# KiCad board OroLink.kicad_pcb (continued)
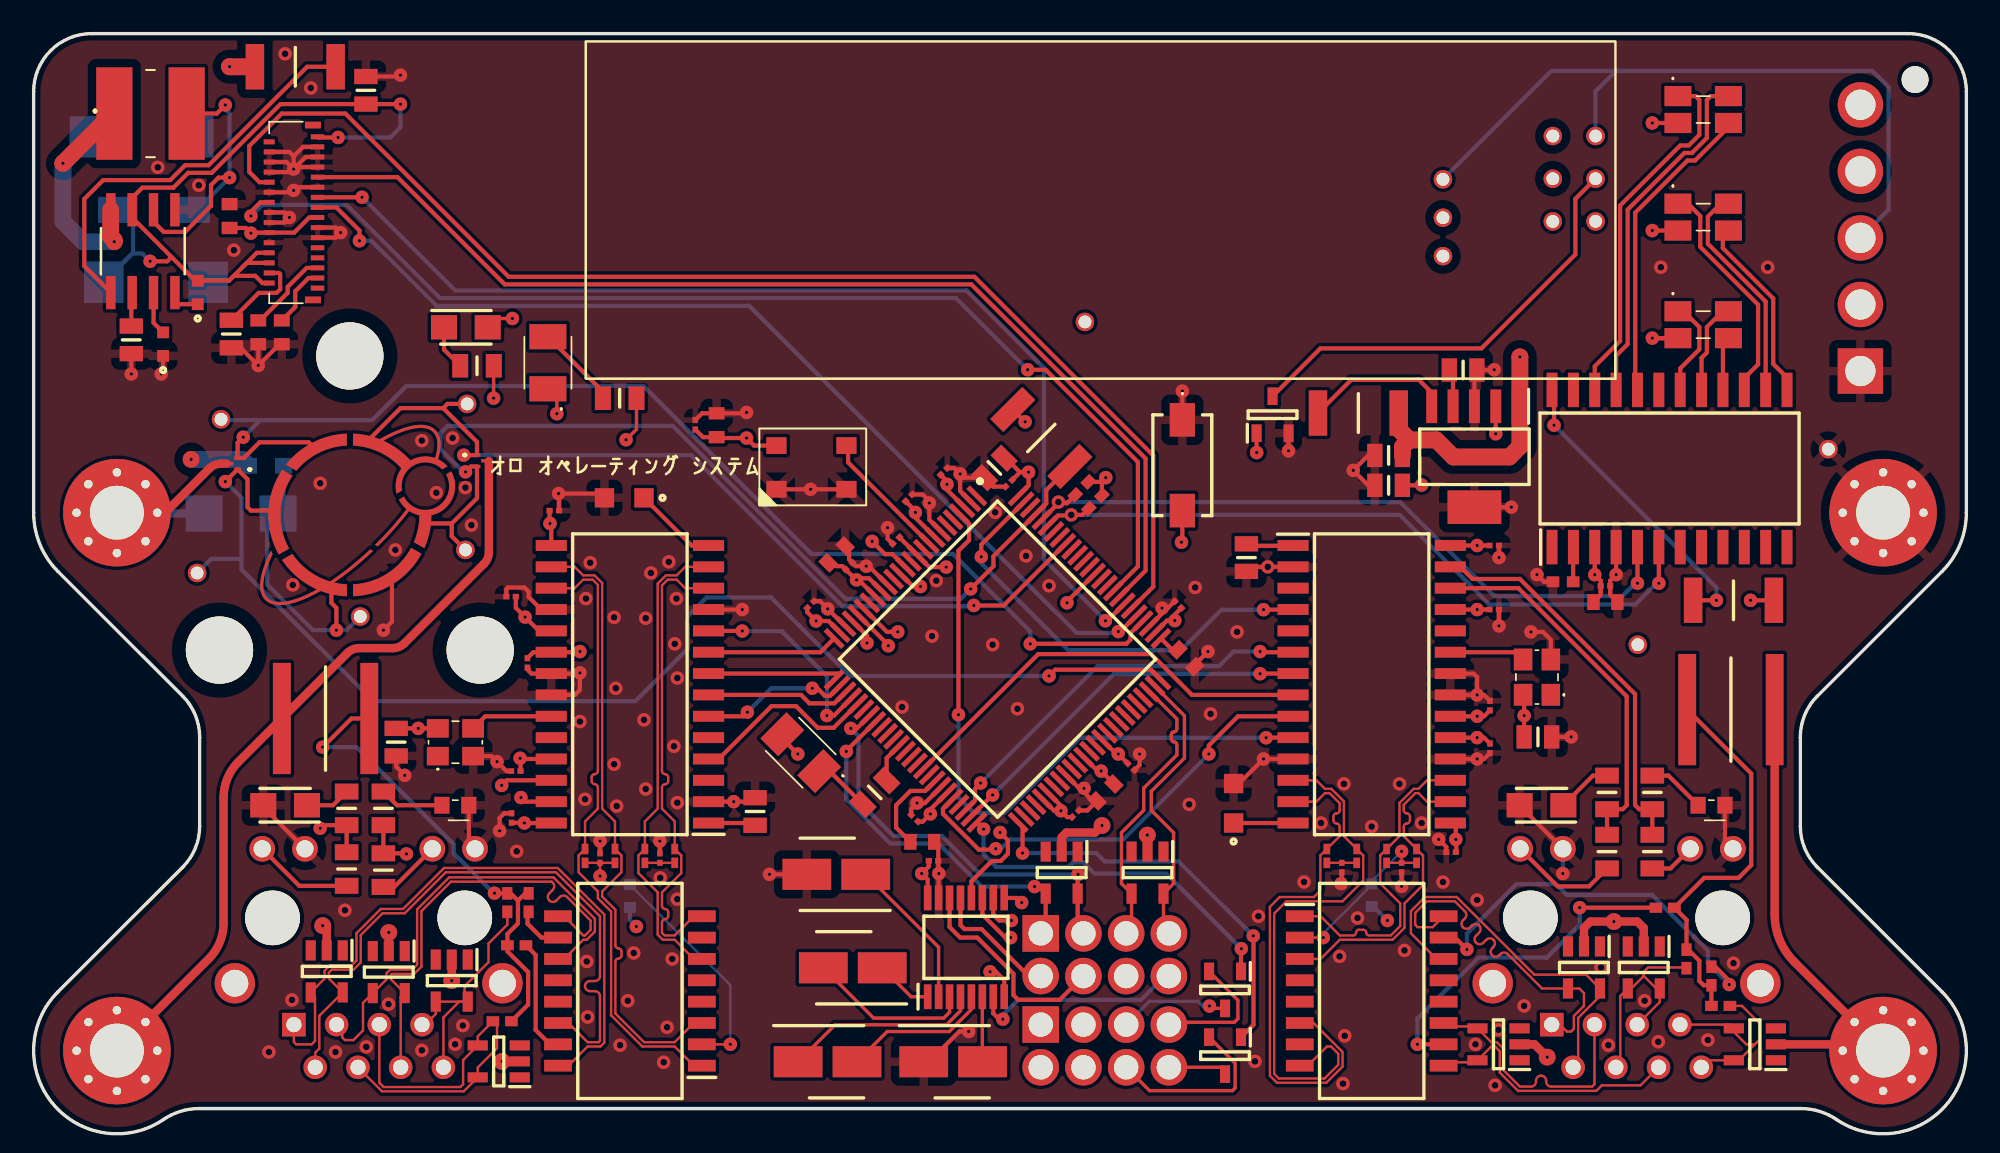
[diagram p0: board, top side]
## Routing (per net, layer and track width the routed paths; a pad name or vN(x,y) marks a point on that pad's centre or on a via; arc(x,y) is an arc through that point) (continued)
GNDPWR: length 218.2
  Top w0.5: D8.2 92.17,12.25 92.55,12.63 v3(93.94,12.63) ; D9.2 89.22,5.33 v3(89.98,4.56) ; D2.2 66.22,17.76 v3(66.21,17.77) ; D5.2 v3(21.11,11.98) ; 27.07,40.02 27.07,34.62 arc(26.99,34.24) 26.77,33.91 22.05,29.19 arc(21.73,28.97) 21.34,28.9 19.36,28.9 arc(18.97,28.82) 18.65,28.6 C35.1 12.17,22.13 arc(11.52,21.15) 11.29,20 11.29,12.54 arc(11.06,11.39) 10.41,10.42 H3.1 ; v3(63.51,18.34) 63.1,17.92 61.4,17.92 61.12,17.64 D1.2 ; 7.82,36.95 10.44,39.58 arc(10.77,39.79) 11.15,39.87 11.48,39.87 ; D11.2 109.58,5.33 ; v3(27.85,4.31) D6.2 ; 93.99,12.63 95.34,12.63 95.72,12.25 D10.2 ; v3(17.19,12.39) 17.42,12.15 D4.2 ; C45.1 103.5,13.06 arc(103.81,11.53) 104.68,10.23 H1.1 ; v3(24.86,9.12) D7.2
  In1.Cu w0.5: 24.09,8.96 J5.MH1 ; 24.09,8.96 J5.MH2 ; 24.09,8.96 24.7,8.96 v3(24.86,9.12) ; J5.MH1 9.78,8.96 arc(9.02,8.81) 8.37,8.37 H3.1 ; J5.MH1 13.76,8.96 v3(17.19,12.39) 20.71,12.39 v3(21.11,11.98) ; 103.1,4.95 99.98,8.08 arc(99,8.73) 97.86,8.96 95.62,8.96 ; 103.1,4.95 H1.1 ; 103.1,4.95 101.84,3.69 arc(100.86,3.04) 99.72,2.81 91.04,2.81 89.98,3.87 v3(89.98,4.56) ; 103.1,4.95 102.65,5.41 J6.MH2 ; v3(93.94,12.63) 93.94,11.05 arc(94.02,10.67) 94.24,10.34 95.62,8.96 ; v3(27.85,4.31) 27.6,4.56 27.6,8.69 ; 95.62,8.96 J6.MH1 86.74,10.23 arc(86.66,10.61) 86.45,10.93 84.74,12.64 arc(83.45,13.5) 81.91,13.81 71.41,13.81 arc(70.26,14.04) 69.29,14.69 v3(66.21,17.77) 65.93,18.05 arc(65.61,18.27) 65.22,18.34 v3(63.51,18.34)
  Bottom w0.5: D14.2 5,36.91
/COM Bus Header/C1+: length 3.4
  Top w0.2: C51.1 52.17,8.16 IC6.1
/COM Bus Header/C1-: length 9.8
  Top w0.2: IC6.3 54.45,7.24 54.1,6.89 49.94,6.89 C51.2
/COM Bus Header/C2+: length 11.7
  Top w0.2: IC6.4 55.1,7.32 54.27,6.49 47.64,6.49 C52.1
/COM Bus Header/C2-: length 8.8
  Top w0.2: IC6.5 55.75,7.41 54.43,6.09 50.74,6.09 C52.2
/COM Bus Header/CTS: length 23.1
  Top w0.25: v2(58.74,13.76) 58.46,14.03 IC6.9 ; v2(61.43,31.59) 61.43,31.66 IC1.87
  In1.Cu w0.25: v2(58.74,13.76) 59.58,13.76 60.35,14.53 60.35,26.19 61.43,27.27 v2(61.43,31.59)
/COM Bus Header/RS232_CTS: length 11.4
  Top w0.25: v2(56.86,9.64) 57.2,9.64 57.7,9.15 IC6.8
  In2.Cu w0.25: v2(56.86,9.64) 58.53,7.97 63.54,7.97 J1.6
/COM Bus Header/RS232_RTS: length 12.5
  Top w0.25: IC6.7 57.05,7.17 57.37,6.85 57.59,6.85 v2(57.62,6.82)
  Bottom w0.25: 67.24,9.39 65.83,7.97 58.52,7.97 57.62,7.07 v2(57.62,6.82)
/COM Bus Header/RS232_RX: length 6.9
  Top w0.25: IC6.13 55.1,12.42 55.34,12.18 56.35,12.18 59.15,9.39
/COM Bus Header/RS232_TX: length 12.8
  Top w0.25: J1.4 61,7.97 58.53,7.97 58.25,8.25 58.25,9.52 56.1,11.68 55.08,11.68 54.45,12.31 IC6.14
/COM Bus Header/RTS: length 26.4
  Top w0.25: IC6.10 57.05,13.05 57.41,12.69 v2(58.13,12.69) ; IC1.20 50.73,29.86 v2(51.37,29.86)
  In1.Cu w0.25: v2(58.13,12.69) 58.01,12.81 58.01,14.25 60.01,16.24 60.01,21.23 v2(51.37,29.86)
/COM Bus Header/RX: length 21.8
  Top w0.25: IC1.22 49.54,29.63 v2(49.54,29.2) ; v2(57.45,17.93) 57.92,17.46 57.92,16.66 57.49,16.23 56.96,16.23 55.75,15.02 IC6.12
  In1.Cu w0.25: v2(57.45,17.93) 57.74,18.21 57.74,20.55 49.54,28.74 v2(49.54,29.2)
/COM Bus Header/TX: length 28.1
  Top w0.25: v2(58.08,11.68) 57.77,11.68 56.4,13.05 IC6.11 ; v2(50.81,29.04) 50.81,29.08 IC1.21
  In1.Cu w0.25: v2(58.08,11.68) 57.41,12.35 57.41,14.15 59.67,16.42 59.67,19.22 50.81,28.08 v2(50.81,29.04)
/COM Bus Header/V+: length 9.1
  Top w0.2: C53.1 53.8,11.1 IC6.2
/COM Bus Header/V-: length 3.9
  Top w0.2: IC6.6 56.4,4.3
/External Ethernet/CS: length 26.4
  Top w0.25: v2(69.86,22.6) 69.86,23.11 71.6,24.84 IC5.9 ; v2(57.2,16.96) 57.14,16.91 56.19,16.91 54.06,19.04 54.06,19.34 IC1.46
  Bottom w0.25: v2(57.2,16.96) 57.51,16.96 58.07,17.52 64.78,17.52 v2(69.86,22.6)
/External Ethernet/CT_45: length 12.3
  Top w0.141: 94.33,4.23 94.33,8.2 D10.4 ; 95.72,9.39 95.72,9.64 95.98,9.9 98.22,9.9 ; 95.72,9.39 94.98,8.65 ; 95.72,9.39 96.46,8.65 ; J6.5 96.67,7.84 D10.5
/External Ethernet/CT_78: length 10.9
  Top w0.141: 101.38,4.38 102.33,5.33 ; 102.33,5.33 102.58,5.58 102.58,6.6 101.56,7.61 R30.1 ; 102.33,5.33 101.82,5.33 101.08,6.07 ; 99.56,4.38 D11.5 ; J6.7 100.85,6.5
/External Ethernet/GLED+: length 22.8
  Top w0.25: R32.2 R34.2 95.45,19.31 95.21,19.56 95.21,26.16 88.36,33.01 85.54,33.01 84.82,33.73
/External Ethernet/RX+: length 14.9
  Top w0.141: J6.3 92.79,2.95 92.65,2.81 90.22,2.81 arc(90,2.9) 89.92,3.11 89.92,3.16 arc(89.83,3.37) 89.62,3.46 arc(89.4,3.37) 89.32,3.16 89.32,3.11 arc(89.23,2.9) 89.02,2.81 88.36,2.81 87.42,3.75 87.42,5.02 86.99,5.45 86.66,5.45 D9.4 ; 85.72,6.39 84.34,6.39
/External Ethernet/RX-: length 15
  Top w0.141: D9.5 86.66,5.2 86.88,5.2 87.16,4.92 87.16,3.65 88.25,2.56 92.9,2.56 93.23,2.89 95.53,2.89 J6.6 ; 85.61,4.26 84.14,4.26
/External Ethernet/SCK: length 25.8
  Top w0.25: IC1.41 59.72,28.54 66.43,28.54 68.86,26.11 IC5.8
/External Ethernet/SDI: length 22.7
  Top w0.25: IC1.49 57,20.16 v2(57.01,20.16) ; IC5.7 72.92,27.38 v2(72.91,27.37)
  Bottom w0.25: v2(72.91,27.37) 64.23,27.37 v2(57.01,20.16)
/External Ethernet/SDO: length 23.9
  Top w0.25: v2(56.3,20.87) 55.97,20.53 55.97,19.83 IC1.48 ; IC5.6 72.95,28.65 v2(72.91,28.69)
  Bottom w0.25: v2(56.3,20.87) 63.25,27.82 70.47,27.82 71.34,28.69 v2(72.91,28.69)
/External Ethernet/TPIN+: length 31.8
  Top w0.141: IC5.13 76.26,19.76 76.77,20.27 77.04,20.27 77.64,19.67 77.64,19.25 arc(77.59,19.12) 77.46,19.06 arc(77.33,19.01) 77.27,18.88 77.27,18.65 arc(77.33,18.52) 77.46,18.46 arc(77.59,18.41) 77.64,18.28 77.64,17.71 R25.1 76.5,16.56 76.5,14.47 76.12,14.09 74.08,14.09 73.5,13.51 73.5,3.46 73.91,3.04 76.85,3.04 77.82,4 77.82,4.87 76.09,6.6 T2.6
/External Ethernet/TPIN-: length 31.8
  Top w0.141: IC5.12 76.26,21.03 76.77,20.52 77.15,20.52 77.9,19.77 77.9,17.71 R26.1 79.04,16.56 79.04,15.06 77.81,13.83 74.48,13.83 73.75,13.11 73.75,3.56 74.02,3.29 76.75,3.29 77.56,4.11 77.56,4.76 77.13,5.2 76.89,5.2 75.75,4.06
/External Ethernet/TPOUT+: length 18.9
  Top w0.141: T2.1 76.51,12.95 77.65,11.8 78.45,11.8 arc(78.57,11.85) 78.62,11.97 arc(78.67,12.09) 78.79,12.14 79.05,12.14 arc(79.17,12.09) 79.22,11.97 arc(79.27,11.85) 79.39,11.8 80.68,11.8 81.24,12.36 81.24,13.71 80.74,14.21 80.05,14.9 80.05,16.56 R23.1 81.2,17.71 81.2,19.68 82.04,20.52 82.33,20.52 82.83,21.03 IC5.17
/External Ethernet/TPOUT-: length 18.9
  Top w0.141: IC5.16 82.83,19.76 82.33,20.27 82.14,20.27 81.45,19.58 81.45,19.25 arc(81.51,19.12) 81.64,19.06 arc(81.77,19.01) 81.82,18.88 81.82,18.65 arc(81.77,18.52) 81.64,18.46 arc(81.51,18.41) 81.45,18.28 81.45,17.71 R24.1 82.6,16.56 82.6,14.81 82.01,14.22 81.5,13.71 81.5,12.26 80.79,11.55 77.65,11.55 76.51,10.41 T2.3
/External Ethernet/TX+: length 21.8
  Top w0.141: 90.74,6.5 91.15,6.09 91.4,6.09 91.57,6.25 91.57,7.01 92.17,7.61 92.17,8.37 91.89,8.65 D8.4 89.68,8.65 87.63,10.7 arc(87.42,10.78) 87.21,10.7 87.13,10.62 arc(86.92,10.53) 86.71,10.62 arc(86.62,10.83) 86.71,11.05 86.78,11.12 arc(86.87,11.33) 86.78,11.54 arc(86.57,11.63) 86.36,11.54 86.18,11.37 arc(85.97,11.28) 85.75,11.37 arc(85.67,11.58) 85.75,11.79 85.93,11.97 arc(86.02,12.18) 85.93,12.39 arc(85.72,12.48) 85.51,12.39 85.4,12.28 arc(85.19,12.2) 84.98,12.28 arc(84.89,12.5) 84.98,12.71 85.09,12.82 arc(85.17,13.03) 85.09,13.24 84.49,13.83 82.82,13.83 82.13,13.15 82.13,12.44 82.28,12.3 83.17,12.3 T2.16
/External Ethernet/TX-: length 21.8
  Top w0.141: 93.12,8.2 91.82,6.9 91.82,4.26 ; 83.4,10.41 81.88,11.93 81.88,13.25 82.72,14.09 84.6,14.09 89.22,9.47 92.29,9.47 D8.5
/External Ethernet/YLED+: length 22.4
  Top w0.25: R31.2 R33.2 94.47,19.31 94.71,19.55 94.71,26.03 88.27,32.46 IC5.26
/External Ethernet/~{INT}: length 26.4
  Top w0.25: v2(56.34,34.33) 56.34,35.05 IC1.99 ; v2(73.12,31.18) 74.86,31.18
  Bottom w0.25: v2(56.34,34.33) 56.34,33.94 61.51,28.76 68.21,28.76 70.63,31.18 v2(73.12,31.18)
/External Ethernet/~{RST}: length 39.5
  Top w0.25: IC1.4 55.61,36.3 55.61,35.32 54.98,34.69 v2(54.98,24.93) ; v2(73.27,23.56) 73.28,23.57 IC5.10
  Bottom w0.25: v2(73.27,23.56) 62.19,23.56 57.72,19.09 55.89,19.09 54.98,20.01 v2(54.98,24.93)
/Front Panel Client/HDD+: length 60
  Top w0.2: v2(27.35,43.77) 27.35,45.68
  In1.Cu w0.2: v2(27.35,43.77) 27.76,43.35 27.76,35.25 58.48,4.53 58.48,3.38 59.3,2.57 61.02,2.57 J3.4
/Front Panel Client/HDD-: length 58.3
  Top w0.2: v2(28.46,48.51) 27.52,48.51
  In1.Cu w0.2: 59.49,3.96 28.46,34.99 v2(28.46,48.51)
/Front Panel Client/PLED+: length 49.2
  Top w0.2: R6.2 35.84,41.91 v2(35.22,41.29)
  In1.Cu w0.2: v2(35.22,41.29) 35.22,28.64 56.34,7.52 58.85,7.52 J3.1
/Front Panel Client/PLED-: length 55.3
  Top w0.2: v2(31.1,42.84) 31.1,43.79
  In1.Cu w0.2: 62.41,6.73 61.15,8 56.27,8 35.51,28.76 35.51,35.84 35.92,36.25 35.92,41.58 34.66,42.84 v2(31.1,42.84)
/Front Panel Client/PWR+: length 6.6
  Top w0.2: Q2.3 70.04,7.46 v2(69.9,7.6)
  Bottom w0.2: J3.5 66.34,7.89 69.22,7.89 69.51,7.6 v2(69.9,7.6)
/Front Panel Client/PWR-: length 7.6
  Top w0.2: Q2.2 71.59,7.95 71.59,6.85 71.38,6.64 67.63,6.64
/Front Panel Client/PWR_ON: length 21.3
  Top w0.25: v2(71.8,11.01) 71.78,11 Q2.1 ; v2(56.47,18.13) IC1.50
  Bottom w0.25: v2(71.8,11.01) 67.32,15.49 63.07,15.49 62.39,16.16 61.79,16.16 61.52,15.88 57.22,15.88 56.47,16.63 v2(56.47,18.13)
/Front Panel Client/RESET: length 23.7
  Top w0.25: Q3.1 72.52,6.49 72.52,11.76 v2(72.51,11.78) ; v2(58.79,16.7) 58.79,18.27
  Bottom w0.25: v2(58.79,16.7) 63.17,16.7 63.67,16.21 68.07,16.21 v2(72.51,11.78)
/Front Panel Client/RST+: length 3.2
  Top w0.2: J3.8 70.67,3.96
/Front Panel Client/RST-: length 10.8
  Top w0.2: J3.6 66.34,2.57 71.27,2.57 71.43,2.73 71.43,4.2 Q3.2
/Indicator Lights/O7: length 10
  Top w0.25: 104.24,44.99 103.42,45.81 103.42,49.7 100.42,52.7 100.42,53.4
/Indicator Lights/O8: length 12.8
  Top w0.25: IC7.14 102.97,49.51 99.53,52.95 99.53,54.56 100.3,55.34
/Indicator Lights/O9: length 12.4
  Top w0.25: 101.7,44.96 102.52,45.78 102.52,49.33 99.08,52.76 99.08,54.6 98.35,55.34
/Indicator Lights/O10: length 2.8
  Top w0.25: IC7.16 100.43,47.01
/Indicator Lights/O11: length 5.2
  Top w0.25: IC7.17 99.16,46.16 99.47,46.48 99.47,48 100.41,48.94
/Indicator Lights/O12: length 5.5
  Top w0.25: IC7.18 97.89,45.53 99.02,46.67 99.02,48 98.08,48.94
/Indicator Lights/O14: length 18.1
  Top w0.25: 95.21,44.39 95.21,54.8 98.32,57.9 98.77,57.9 100.75,59.89
/Indicator Lights/O15: length 21.1
  Top w0.25: IC7.21 94.08,46.3 94.76,46.98 94.76,54.98 98.13,58.35 98.58,58.35 99.47,59.24 99.47,61.51 99.7,61.74 LED8.4
/Indicator Lights/O16: length 21.5
  Top w0.25: LED8.1 98.8,61.74 99.02,61.52 99.02,59.43 98.4,58.8 97.89,58.8 94.31,55.23 94.31,47.17 92.81,45.66 IC7.22
/Indicator Lights/SCL: length 42.7
  Top w0.25: v1(61.69,36.82) 62.35,36.82 R1.2 ; 61.72,36.79 60.9,36.79 IC1.95 ; v2(96.62,32.76) IC7.6
  Bottom w0.25: v2(96.62,32.76) 96.48,32.76 95.21,31.49 86.55,31.49 81.21,36.82 v1(61.69,36.82)
/Indicator Lights/SDA: length 41.9
  Top w0.25: v2(95.35,32.76) IC7.5 ; IC1.96 60.92,37.51 v1(60.92,37.58) 61.43,37.51 R2.2
  Bottom w0.25: v2(95.35,32.76) 95.21,32.76 94.45,32 86.83,32 81.24,37.58 v1(60.92,37.58)
/Microcontroller/DBGUART_RX: length 24
  Top w0.25: 62.07,12.27 D1.5 62.07,15.41 v2(62.09,15.43) ; IC1.32 48.94,24.12 v2(48.58,24.12)
  Bottom w0.25: v2(48.58,24.12) 49.04,23.66 49.04,19.8 51.12,17.72 53.99,17.72 56.28,15.43 v2(62.09,15.43)
/Microcontroller/DBGUART_TX: length 21.6
  Top w0.25: v2(48.31,22.75) 48.31,22.79 50.06,24.54 ; v2(59.5,14.71) 59.75,14.71 D1.4 60.17,12.22
  Bottom w0.25: v2(48.31,22.75) 48.31,19.89 50.93,17.27 53.8,17.27 56.37,14.71 v2(59.5,14.71)
/Microcontroller/SYSETH_CS: length 7.8
  Top w0.25: IC4.9 46.77,28.65 IC1.25
/Microcontroller/SYSETH_MISO: length 8.9
  Top w0.25: IC1.27 47.34,26.06 47.04,26.06 46.59,26.51 v2(46.29,26.51) ; IC4.6 42.19,24.84 v2(42.43,25.09)
  Bottom w0.25: v2(46.29,26.51) 43.86,26.51 v2(42.43,25.09)
/Microcontroller/SYSETH_SCK: length 7.8
  Top w0.25: IC4.8 47.93,27.38
/Microcontroller/SYSTEH_MOSI: length 8.7
  Top w0.25: IC1.28 47.6,25.61 46.13,25.61 45.62,26.11 IC4.7
/Microcontroller/SYSTEH_~{INT}: length 10.7
  Top w0.25: IC1.30 47.56,24.16 46.61,24.16 45.33,25.44 43.86,25.44 40.72,22.3
/Microcontroller/SYSTEH_~{RST}: length 12.4
  Top w0.25: v2(47.16,24.89) 47.58,24.89 IC1.29 ; IC4.10 42.12,29.92 v2(42.13,29.91)
  Bottom w0.25: v2(42.13,29.91) 44.46,29.91 47.16,27.22 v2(47.16,24.89)
/Microcontroller/USB_D+: length 16.7
  Top w0.2: 67.17,12.25 D2.5 67.77,14.89 67.77,17.92 66.45,19.24 66.45,20.38 68.41,22.35 68.41,24.87 66.66,26.62
/Microcontroller/USB_D-: length 16.7
  Top w0.2: 65.27,12.25 D2.4 64.67,14.89 64.67,17.92 66,19.24 66,20.57 67.96,22.54 67.96,23.16 arc(67.92,23.27) 67.8,23.32 arc(67.68,23.37) 67.64,23.48 67.64,23.76 arc(67.68,23.87) 67.8,23.92 arc(67.92,23.97) 67.96,24.08 67.96,24.69 66.35,26.3
/Microcontroller/VCAP1: length 5.5
  Top w0.25: IC1.43 53,20.4 52.13,20.4 51.27,19.55 51.27,18.22 C5.1
/Microcontroller/VCAP2: length 1
  Top w0.25: 67.69,28.8 IC1.76
/OLED Socket/CS: length 60
  Top w0.25: J4.17 17.99,55.11 19.37,53.74 v2(19.37,53.13) ; IC1.80 64.6,29.88 v2(64.48,29.88)
  Bottom w0.25: v2(19.37,53.13) 20.08,53.13 23.94,49.27 42.53,49.27 62,29.8 64.4,29.8 v2(64.48,29.88)
/OLED Socket/DC: length 65.6
  Top w0.25: v2(19.52,55.72) 19.52,55.71 J4.19 ; v2(63.72,30.52) 63.83,30.52 IC1.82
  Bottom w0.25: v2(19.52,55.72) 25.07,50.17 55.45,50.17 60.06,45.56 60.06,34.18 v2(63.72,30.52)
/OLED Socket/EXTCAP: length 3.7
  Top w0.25: J4.3 16.34,50.91 15.55,50.12 15.55,49.19 C21.2
/OLED Socket/EXTCAP2: length 5.2
  Top w0.25: C25.2 13.38,50.03 14.44,50.03 14.65,50.24 14.65,51.14 14.58,51.21 J4.4
/OLED Socket/EXTCAP3: length 4.9
  Top w0.25: 13.46,48.39 15.1,50.04 15.1,50.39 16.23,51.51 J4.5
/OLED Socket/SCK: length 75.6
  Top w0.25: J4.22 13.43,56.61 12.82,57.23 12.82,58.77 14.75,60.7 18.53,60.7 28.24,50.99 55.93,50.99 66.56,40.35 66.56,32.55 IC1.81
/OLED Socket/SDI: length 65
  Top w0.25: IC1.83 66.11,33.51 66.11,40.17 55.74,50.54 28.01,50.54 21.63,56.91 J4.23
/OLED Socket/~{RST}: length 69.2
  Top w0.25: v2(12.92,54.6) 12.92,54.85 13.48,55.41 J4.18 ; v2(59.1,45.46) 60.16,45.46 65.65,39.97 65.65,33.76 IC1.84
  Bottom w0.25: v2(12.92,54.6) 13.58,55.26 18.61,55.26 24.14,49.72 54.83,49.72 v2(59.1,45.46)
/Power Supply/PSU_ON: length 43.6
  Bottom w0.25: 94.07,63.24 92.85,62.02 S2.1 ; 94.07,63.24 109.31,63.24 110.28,62.27 110.28,54.97 J2.3 ; 94.07,63.24 90.24,63.24 DBG32.1
/Power Supply/PW_OK: length 69.9
  Top w0.25: v2(49.85,35.25) 50.61,34.48 51.06,34.48 IC1.13
  In1.Cu w0.25: J2.2 63.51,49.34 ; 63.51,49.34 61.91,49.34 49.85,37.28 v2(49.85,35.25) ; 63.51,49.34 63.51,49.32 DBG31.1
/Power Supply/PW_ON: length 26.4
  Top w0.25: v2(72.71,40.53) 72.7,40.54 Q1.1 ; v2(52.72,32.56) 52.28,32.56 IC1.14
  In1.Cu w0.25: v2(72.71,40.53) 68.1,35.92 55.43,35.92 52.72,33.21 v2(52.72,32.56)
/SWD Pad/FLASH: length 57.2
  Top w0.25: v2(25.68,39.38) 25.99,39.7 D15.2 26.36,37.81 24.86,36.31 ; 24.86,36.31 23.33,36.31 ; 24.86,36.31 24.86,35.55 DBG43.1 ; R3.2 60.2,38.3 60.2,37.5 IC1.97 57.06,34.36 57.06,33.77 v2(55.7,32.41)
  Bottom w0.25: v2(55.7,32.41) 55.13,31.84 48.27,31.84 37.98,42.12 24.61,42.12 24.18,41.69 24.18,40.74 25.54,39.38 v2(25.68,39.38)
/SWD Pad/SWCLK: length 71.5
  Top w0.25: 16.6,40.89 16.35,41.14 13.43,41.14 12.5,40.21 D13.2 12.13,41.11 v2(12.46,41.44) ; IC1.79 65.21,29.78 65.21,29.4 64.96,29.16 59.25,29.16 v2(59.25,29.15)
  Bottom w0.25: v2(12.46,41.44) 13.48,42.46 14.04,42.46 ; 14.04,42.46 11.24,42.46 ; 14.04,42.46 20.13,42.46 22.16,44.49 36.25,44.49 46.24,34.5 54.65,34.5 59.25,29.9 v2(59.25,29.15)
/SWD Pad/SWDIO: length 77.8
  Top w0.25: IC1.75 66.42,27.61 60.74,27.61 v2(60.37,27.24) ; v2(11.39,38.8) 12.12,39.53 D13.1 12.71,38.94 12.71,37.28 12.92,37.08 14.31,37.08
  Bottom w0.25: 12.36,34.2 12.36,37.84 v2(11.39,38.8) ; 12.36,34.2 10.55,34.2 DBG40.1 ; 12.36,34.2 12.36,33.57 20.19,25.74 35.77,25.74 38.88,28.85 38.88,30.78 40.02,31.92 43.83,31.92 48.51,27.24 v2(60.37,27.24)
/SWD Pad/SWO: length 52.2
  Top w0.25: DBG42.1 24.6,43.43 24.35,43.17 ; v2(55.89,31.43) 57.67,31.43 IC1.92 ; 24.35,43.17 26.36,41.16 D15.1 25.57,40.38 v2(25.57,40.38) ; 24.35,43.17 21.81,43.17 19.9,41.27
  Bottom w0.25: v2(55.89,31.43) 55.85,31.39 48.08,31.39 39.09,40.38 v2(25.57,40.38)
/System Ethernet/CT_45: length 25.1
  Top w0.141: J5.5 20.55,3.04 20.8,2.79 25.36,2.79 25.53,2.95 25.53,4.39 D6.4 26.4,5.79 R16.1 27.55,6.45 27.55,5.09 26.4,3.95 D6.5 25.57,2.53 20.71,2.53 J5.4
/System Ethernet/CT_78: length 14.4
  Top w0.141: 23.28,6.5 23.91,7.13 D7.4 D7.5 25.3,7.87 24.36,6.93 J5.8 ; R17.1 28.16,12.44 27.04,11.32 27.04,10.21 25.62,8.79 25.62,8.17
/System Ethernet/GLED+: length 13.9
  Top w0.25: v2(22.16,16.65) 22.13,16.69 R19.2 R21.2 ; IC4.27 29.22,19.76 v2(28.97,20.01)
  In1.Cu w0.25: v2(28.97,20.01) 24.3,20.01 22.16,17.87 v2(22.16,16.65)
/System Ethernet/RX+: length 26.9
  Top w0.141: 31.54,10.41 32.68,11.55 32.88,11.55 33.37,12.03 33.37,12.79 30.9,15.26 24.7,15.26 22.8,13.35 22.8,10.05 22.52,9.77 21.2,9.77 20.98,9.56 20.98,9.2 D5.4 19.58,7.79 19.58,6.14 19.01,5.58 18.51,5.58 18.35,5.74 18.35,6.16
/System Ethernet/RX-: length 27
  Top w0.141: 31.54,12.95 32.68,11.8 32.78,11.8 33.11,12.13 33.11,12.69 31.71,14.09 arc(31.5,14.18) 31.29,14.09 31.08,13.88 arc(30.87,13.8) 30.66,13.88 arc(30.57,14.1) 30.66,14.31 30.86,14.51 arc(30.95,14.73) 30.86,14.94 30.8,15 24.81,15 23.05,13.25 23.05,9.95 22.62,9.52 21.3,9.52 21.24,9.45 21.24,9.2 D5.5 21.82,8.13 J5.6
/System Ethernet/TPIN+: length 28
  Top w0.141: 39.25,10.41 38.11,11.55 37.4,11.55 37.1,11.85 37.1,14.37 35.95,15.51 35.95,16.56 R12.1 36.34,18.58 37.1,19.35 37.1,32.73 37.59,33.22 38.23,33.22 38.74,33.73 IC4.13
/System Ethernet/TPIN-: length 28
  Top w0.141: IC4.12 38.74,32.46 38.23,32.97 37.69,32.97 37.35,32.63 37.35,21.59 arc(37.41,21.46) 37.54,21.4 arc(37.67,21.35) 37.72,21.22 37.72,20.99 arc(37.67,20.86) 37.54,20.8 arc(37.41,20.75) 37.35,20.62 37.35,19.35 38.12,18.58 R13.1 38.5,16.56 38.5,15.51 37.35,14.37 37.35,13.56 arc(37.41,13.43) 37.54,13.37 arc(37.67,13.32) 37.72,13.19 37.72,12.96 arc(37.67,12.83) 37.54,12.77 arc(37.41,12.72) 37.35,12.59 37.35,11.96 37.51,11.8 38.11,11.8 39.25,12.95
/System Ethernet/TPOUT+: length 36.6
  Top w0.141: 39.25,4.06 38.11,5.2 36.18,5.2 34.33,7.05 34.33,13.22 33.54,14.01 33.54,14.42 32.4,15.56 32.4,16.56 R10.1 32.78,18.58 33.54,19.35 33.54,20.62 arc(33.49,20.75) 33.36,20.8 arc(33.23,20.86) 33.17,20.99 33.17,21.22 arc(33.23,21.35) 33.36,21.4 arc(33.49,21.46) 33.54,21.59 33.54,32.66 33.24,32.97 32.67,32.97 32.16,32.46 IC4.17
/System Ethernet/TPOUT-: length 36.6
  Top w0.141: 39.25,6.6 38.11,5.45 36.29,5.45 34.58,7.16 34.58,10.25 arc(34.64,10.38) 34.77,10.43 arc(34.9,10.49) 34.95,10.62 34.95,10.85 arc(34.9,10.98) 34.77,11.03 arc(34.64,11.09) 34.58,11.22 34.58,13.33 33.8,14.12 33.8,14.42 34.94,15.56 34.94,16.56 R11.1 34.56,18.58 33.8,19.35 33.8,32.77 33.34,33.22 32.67,33.22 32.16,33.73 IC4.16
/System Ethernet/TX+: length 38.3
  Top w0.141: 16.73,8.16 16.73,5.53 16.52,5.33 15.61,5.33 15.47,5.47 J5.1 ; 31.79,4.06 32.93,5.2 33.7,5.2 33.92,5.42 33.92,13.05 31.16,15.82 24.4,15.82 21.96,13.38 20.64,13.38 19.19,11.93 19.19,10.31 18.91,10.02 17.62,10.02 17.3,9.7 17.3,9.24 D4.4
/System Ethernet/TX-: length 38.3
  Top w0.141: J5.2 16.74,4.83 16.98,5.07 16.98,7.02 D4.5 17.55,9.24 17.55,9.59 17.73,9.77 19.02,9.77 19.45,10.2 19.45,11.83 20.74,13.12 22.06,13.12 24.5,15.56 31.05,15.56 33.67,12.94 33.67,9.39 arc(33.58,9.18) 33.37,9.09 33.08,9.09 arc(32.87,9) 32.78,8.79 arc(32.87,8.58) 33.08,8.49 33.37,8.49 arc(33.58,8.4) 33.67,8.19 33.67,5.53 33.59,5.45 32.93,5.45 31.79,6.6
/System Ethernet/YLED+: length 18.2
  Top w0.25: v2(17.03,18.18) 17.22,18.36 R20.2 R18.2 ; v2(27.83,20.73) 28.13,21.03 IC4.26
  In1.Cu w0.25: v2(27.83,20.73) 27.67,20.58 19.43,20.58 v2(17.03,18.18)
Net-(C33-Pad1): length 1.8
  Top w0.141: R12.2 R13.2
Net-(C35-Pad2): length 28.4
  Top w0.25: 28.79,13.87 28.79,12.52 28.17,11.89 R15.2 28.17,10.85 29.4,9.63 29.4,7.69 R16.2 ; 28.79,13.87 29.23,14.31 R14.2 ; 28.79,13.87 28.36,14.31 R17.2 27.4,14.31 v2(27.4,14.32) ; C35.2 18.89,24.71 v2(17.19,23)
  Bottom w0.25: v2(17.19,23) 19.2,23 24.98,17.22 24.98,16.68 27.34,14.32 v2(27.4,14.32)
Net-(C43-Pad1): length 1.8
  Top w0.141: R25.2 R26.2
Net-(C45-Pad2): length 23.4
  Top w0.25: R30.2 R28.2 99.28,8.84 99.02,9.09 99.02,10.3 98.37,10.96 ; C45.2 102.11,21.43 102.11,15.98 101.36,15.23 99.32,15.23 R27.2 98.26,12.73 R29.2
Net-(IC1-NRST): length 20.1
  Top w0.25: 51.47,35.49 IC1.11 53.24,33.72 v2(54.25,33.72) ; S1.2 68.29,35.25 v2(68.24,35.2)
  In1.Cu w0.25: v2(54.25,33.72) 54.25,33.91 55.54,35.2 v2(68.24,35.2)
Net-(IC1-PE12): length 2.4
  Top w0.25: IC1.37 50.71,22.35 R4.1
Net-(IC1-PH0): length 7.8
  Top w0.25: 48.42,40.95 48.42,39.95 53.24,35.13 IC1.9
Net-(IC2-EN): length 7.9
  Top w0.25: R5.2 78.33,44.86 82.35,44.86 83.11,44.1
Net-(IC2-NR/FB): length 1.9
  Top w0.25: 84.38,45.22 IC2.4
Net-(IC3-COMP): length 1.2
  Top w0.25: C28.1 8.51,49.36
Net-(IC3-EN): length 24.4
  Top w0.25: IC3.1 3.01,51.62 3.01,55.62 4.13,56.74 8.12,56.74 9,57.62 10.4,57.62 16.26,63.48 R8.1
Net-(IC3-OUT): length 16.5
  Top w0.25: FB1.2 10.89,60.7 v2(11.39,61.21) ; v2(11.65,56.89) 10.99,56.89 10.54,56.44 10.54,55.2 9,53.66 7.73,53.66 7.13,54.26
  Bottom w0.25: 9.73,54.97 v2(11.65,56.89) 11.65,60.7 11.39,60.95 v2(11.39,61.21)
Net-(IC3-REF): length 1.9
  Top w0.25: C26.2 5.81,50
Net-(IC3-SS): length 2.6
  Top w0.25: IC3.3 7.13,48.25 C27.2
Net-(IC4-OSC1): length 4.9
  Top w0.25: Y1.3 26.85,24.84 IC4.23
Net-(IC4-RBIAS): length 5
  Top w0.25: IC4.14 39.12,35 R9.1
Net-(IC4-VCAP): length 2.9
  Top w0.25: IC4.1 43.01,18.49
Net-(IC5-OSC1): length 4.5
  Top w0.25: 88.55,28.22 88.11,28.65 IC5.23
Net-(IC5-RBIAS): length 3.5
  Top w0.25: R22.1 IC5.14
Net-(IC5-VCAP): length 3
  Top w0.25: 71.85,34.98 74.85,34.98
Net-(IC7-R_EXT): length 2
  Top w0.25: R35.2 91.52,34.89
Net-(IC7-~{SDB}): length 17.8
  Top w0.25: v2(90.39,42.16) 90.39,44.14 ; R36.2 v2(100.04,31.74)
  Bottom w0.25: v2(90.39,42.16) 100.04,32.5 v2(100.04,31.74)
Net-(J5-A_GREEN): length 3.8
  Top w0.25: J5.11 21.43,14.69 R19.1
Net-(J5-A_YELLOW): length 5.9
  Top w0.25: R18.1 15.79,14.76 J5.9
Net-(J6-A_GREEN): length 2.7
  Top w0.25: R32.1 97.31,15.79 J6.11
Net-(J6-A_YELLOW): length 6.5
  Top w0.25: J6.9 90.61,14.72 92.47,14.72 R31.1
Net-(LED1-Pad1): length 2.8
  Top w0.25: R4.2 47.32,21.58
Net-(LED2-Pad2): length 4.6
  Top w0.25: LED2.2 33.84,44.16
Net-(LED3-Pad1): length 2.7
  Top w0.25: LED3.1 24.4,46.65 R7.2
Net-(LED4-Pad2): length 3.8
  Top w0.25: R21.1 21.6,19.55 LED4.2
Net-(LED5-Pad1): length 2.7
  Top w0.25: LED5.1 17.79,19.55 R20.1
Net-(LED6-Pad2): length 3.5
  Top w0.25: R34.1 97.19,21.31 LED6.2
Net-(LED7-Pad1): length 3.3
  Top w0.25: R33.1 92.7,21.31 LED7.1
Net-(Q1-Pad3): length 26.5
  Top w0.25: S2.3 91.66,55.63 91.66,52.32 86.07,46.73 76.5,46.73 Q1.3
Net-(T1-CT_1): length 18.2
  Top w0.141: R10.2 R11.2 ; C34.1 v2(33.67,15.33) ; T1.2 v2(41.42,5.33)
  Bottom w0.141: v2(41.42,5.33) 41.42,8.85 FB2.2 34.21,14.82 33.7,15.33
Net-(T1-CT_3): length 2.9
  Top w0.25: T1.10 30.19,11.68 29.36,12.5 29.36,13.21
Net-(T1-CT_4): length 6.5
  Top w0.25: R15.1 29.84,10.64 29.84,6.18 30.7,5.33
Net-(T2-CT_1): length 10.7
  Top w0.141: R23.2 R24.2 ; T2.2 v2(76.67,11.68) ; C44.1 81.33,16.67 81.24,16.76
  Bottom w0.141: 79.54,15.02 v2(81.33,16.81) ; v2(76.67,11.68) 76.67,11.93 79.54,14.8
Net-(T2-CT_3): length 20.6
  Top w0.25: v2(82.26,5.33) T2.10 ; R27.1 v2(91.91,13.45)
  Bottom w0.25: v2(82.26,5.33) 82.26,6.85 85.89,10.48 89.96,10.48 91.91,12.44 v2(91.91,13.45)
Net-(T2-CT_4): length 23.3
  Top w0.25: v2(100.8,8.88) 100.8,9.11 99.97,9.94 R28.1 ; 84.5,11.68 v2(85.21,10.97)
  Bottom w0.25: v2(85.21,10.97) 85.21,11.91 88.15,14.85 90.51,14.85 91.15,14.22 96.21,14.22 99.53,10.89 99.53,10.15 v2(100.8,8.88)

## Copper pours and planes (outline as drawn; the poured copper is in the pictures)
+3V3 on In2.Cu: -0.54,66.41 116.3,66.41 116.3,-0.9 -0.54,-0.9
GND on Top, Bottom, In1.Cu: -0.54,66.41 116.3,66.41 116.3,-0.9 -0.54,-0.9

## Text on the board
B.Silkscreen: DBG | HDD | PLED | RST | USB | PWR | ORO OPERATING SYSTEM / オロ オペレーティング システム / oro link x64 rev.4 / 2023-05-03 oro.sh | R | + | T | CT | RT | RS232
User.Comments: F.Silkscreen | F.Paste | F.Mask | F.Cu | Dielectric | In1.Cu | In2.Cu | B.Cu | B.Mask | B.Paste | B.Silkscreen | Top Silk Screen | Top Solder Paste | Top Solder Mask | copper | prepreg | core | Bottom Solder Mask | Bottom Solder Paste | Bottom Silk Screen | Not specified | FR4 | 0 mm | 0.01 mm | 0.035 mm | 0.2104 mm | 0.0152 mm | 1.065 mm | 1 | 3.3 | 4.5 | 0 | 0.02 | Copper Layer Count: | Board overall dimensions: | Min track/spacing: | Copper Finish: | Castellated pads: | Edge card connectors: | 4 | 114.9000 mm x 65.4479 mm | 0.0900 mm / 0.0900 mm | ENIG | No | Board Thickness: | Min hole diameter: | Impedance Control: | Plated Board Edge: | 1.6062 mm | 0.1500 mm | Layer Name | Type | Material | Thickness (mm) | Color | Epsilon R | Loss Tangent | BOARD CHARACTERISTICS
F.Silkscreen: オロ オペレーティング システム
